# Altium PCB CANOPi_Baseboard.PcbDoc (part 1 of 3) (continued)
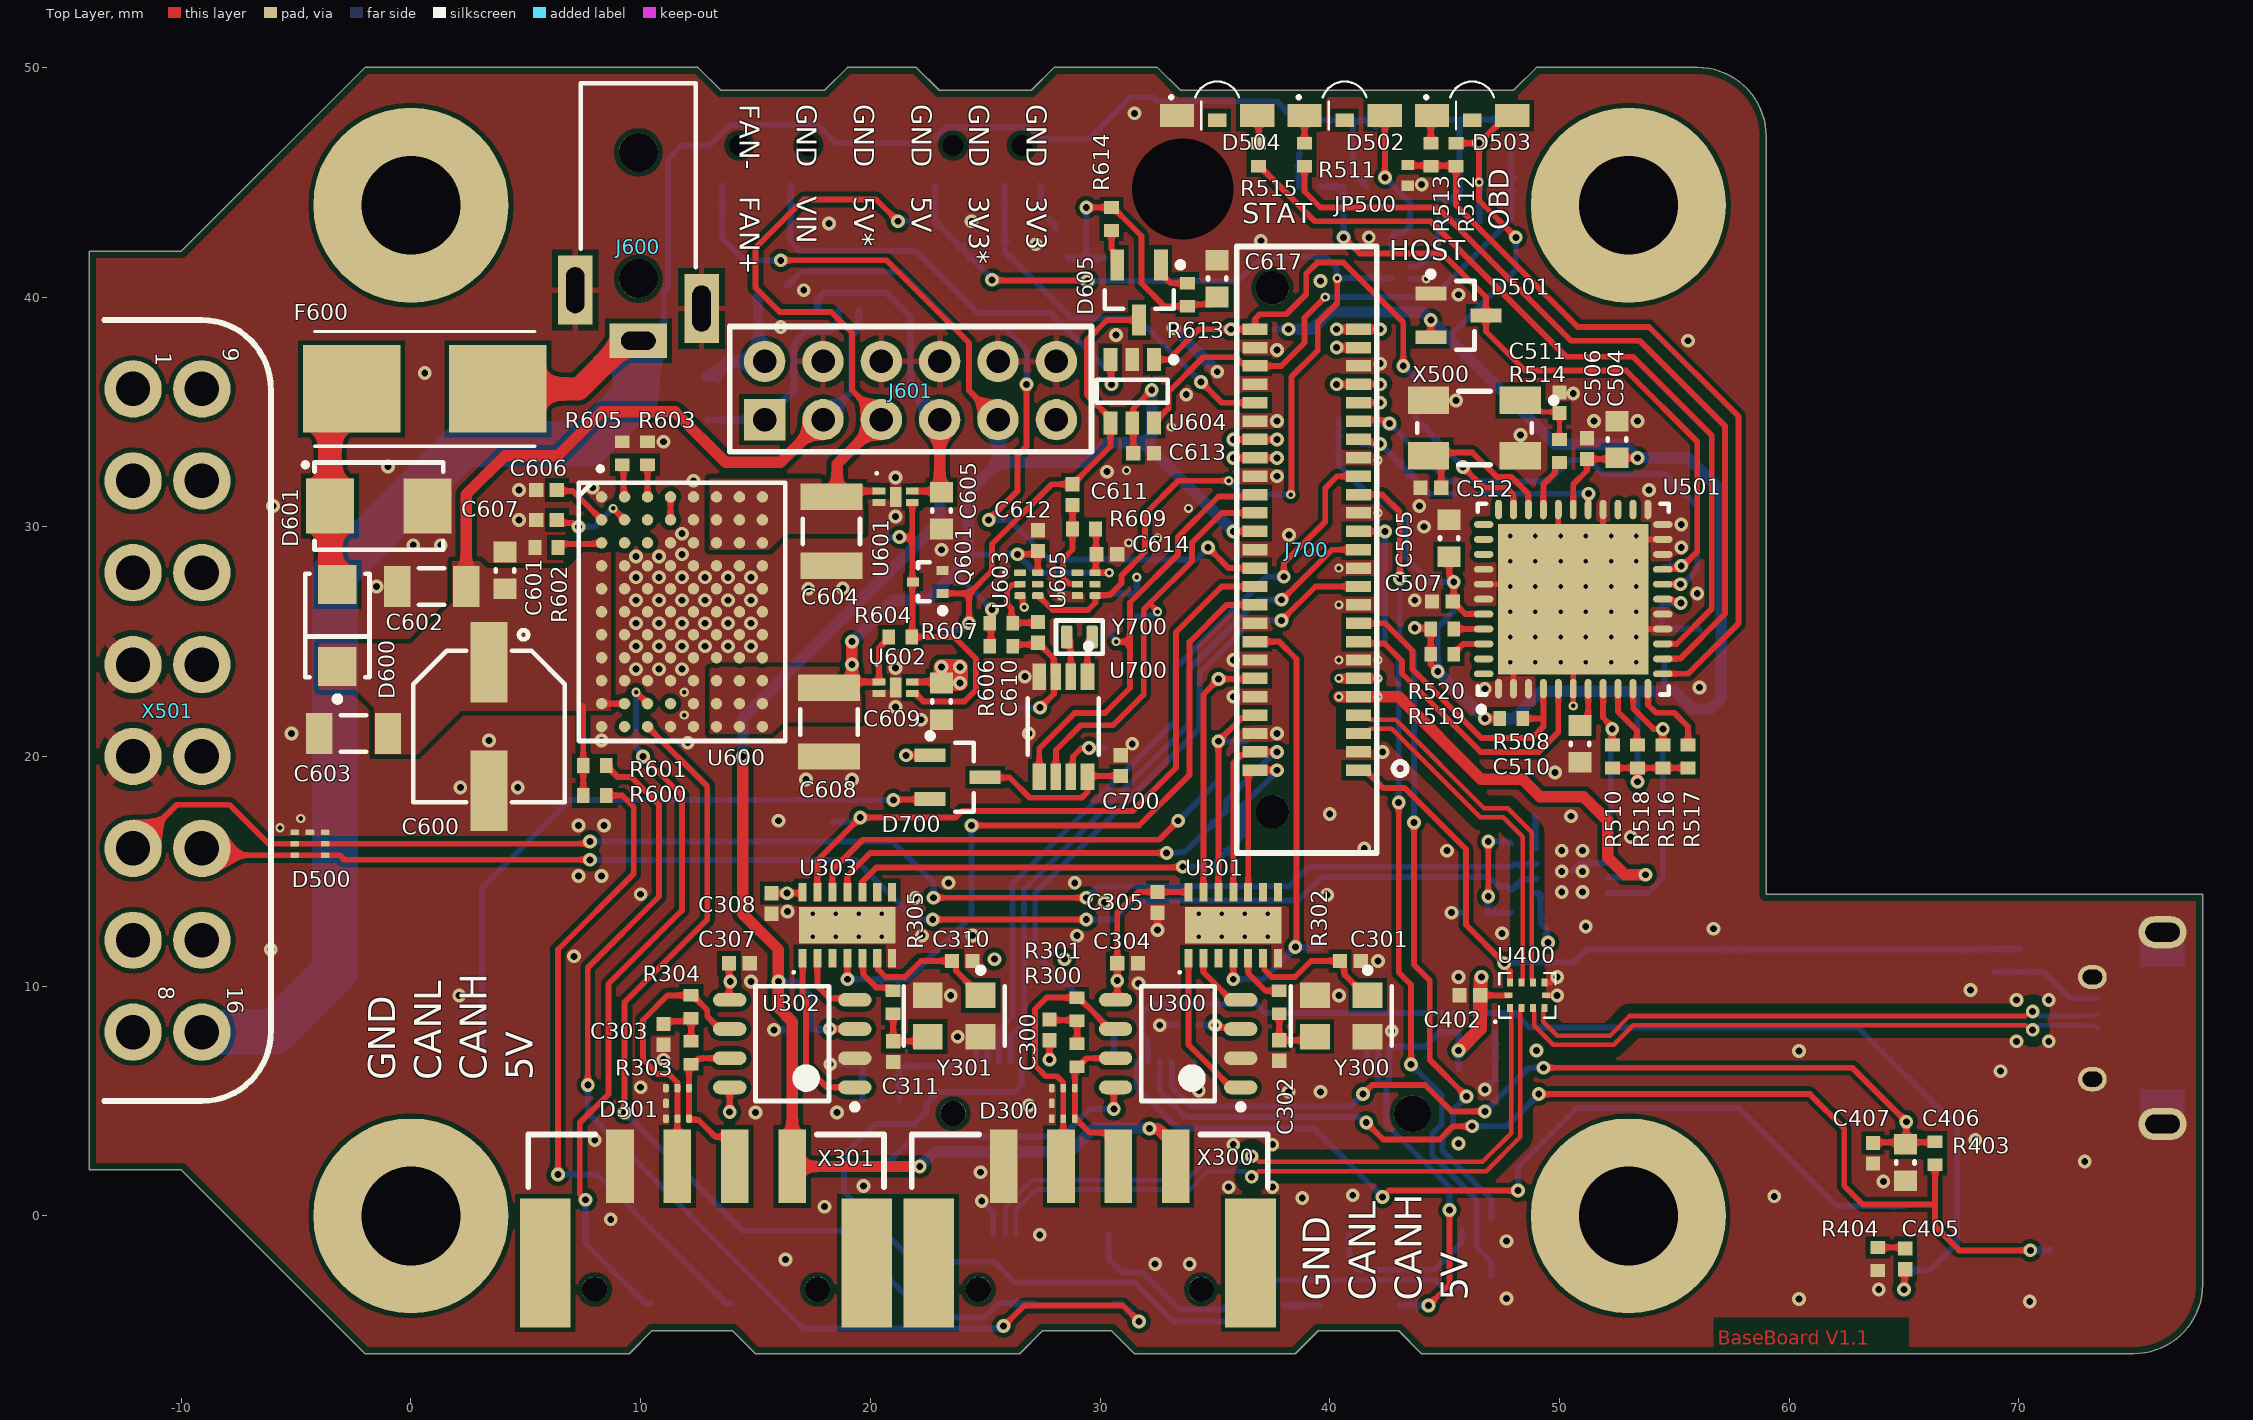
[diagram p0: Top Layer view]
## Components (designator, comment, footprint, x,y, rotation, side; value= is the part's Value field where it differs from the comment)
BT700 "KEYSTONE - 1060" "KEYSTONE - 1060-Footprint-1" 3,22.1 r270 bottom
C300 "CAP 0402 100n -10% +10% 6.3V X7R" "CAP 0402 [1005 Metric] X050 N" 27.8,8.1 r270 top value=100nF
C301 "CAP 0402 27p -2% +2% 25V C0G" "CAP 0402 [1005 Metric] X050 N" 40.9,11.1 r180 top value=27pF
C302 "CAP 0402 27p -2% +2% 25V C0G" "CAP 0402 [1005 Metric] X050 N" 37.8,7.2 r90 top value=27pF
C303 "CAP 0402 100n -10% +10% 6.3V X7R" "CAP 0402 [1005 Metric] X050 N" 11,7.9 r270 top value=100nF
C304 "CAP 0402 100n -10% +10% 6.3V X7R" "CAP 0402 [1005 Metric] X050 N" 31.2,11 r180 top value=100nF
C305 "CAP 0402 100n -10% +10% 6.3V X7R" "CAP 0402 [1005 Metric] X050 N" 32.5,13.65 r90 top value=100nF
C306 "CAP 0402 100n -10% +10% 6.3V X7R" "CAP 0402 [1005 Metric] X050 N" 33.8,8.3 r0 bottom value=100nF
C307 "CAP 0402 100n -10% +10% 6.3V X7R" "CAP 0402 [1005 Metric] X050 N" 14.3,11 r180 top value=100nF
C308 "CAP 0402 100n -10% +10% 6.3V X7R" "CAP 0402 [1005 Metric] X050 N" 15.7,13.6 r90 top value=100nF
C309 "CAP 0402 100n -10% +10% 6.3V X7R" "CAP 0402 [1005 Metric] X050 N" 17,8.1 r0 bottom value=100nF
C310 "CAP 0402 27p -2% +2% 25V C0G" "CAP 0402 [1005 Metric] X050 N" 24,11.1 r180 top value=27pF
C311 "CAP 0402 27p -2% +2% 25V C0G" "CAP 0402 [1005 Metric] X050 N" 20.992,7.15 r90 top value=27pF
C400 "CAP 0603 10µF -20% +20% 6.3V X5R" "CAP 0603 [1608 Metric] X080 N" 20.455,5.025 r180 bottom value=10µF
C401 "CAP 0603 1u -10% +10% 10V X7R" "CAP 0603 [1608 Metric] X080 N" 20.455,6.625 r180 bottom value=1µF
C402 "CAP 0402 100n -10% +10% 6.3V X7R" "CAP 0402 [1005 Metric] X050 N" 46.1,9.6 r0 top value=100nF
C403 "CAP 0603 10µF -20% +20% 6.3V X5R" "CAP 0603 [1608 Metric] X080 N" 46.4,8 r0 bottom value=10µF
C404 "CAP 0603 1u -10% +10% 10V X7R" "CAP 0603 [1608 Metric] X080 N" 46.4,6.4 r0 bottom value=1µF
C405 "CAP 0402 27p -2% +2% 25V C0G" "CAP 0402 [1005 Metric] X050 N" 65.055,-1.875 r270 top value=27pF
C406 "CAP 0603 1u -10% +10% 10V X7R" "CAP 0603 [1608 Metric] X080 N" 65.055,2.325 r270 top value=1µF
C407 "CAP 0402 100n -10% +10% 6.3V X7R" "CAP 0402 [1005 Metric] X050 N" 63.655,2.725 r270 top value=100nF
C500 "CAP 0402 100n -10% +10% 6.3V X7R" "CAP 0402 [1005 Metric] X050 N" 49.8,12.6 r180 bottom value=100nF
C501 "CAP 0402 100n -10% +10% 6.3V X7R" "CAP 0402 [1005 Metric] X050 N" 53.1,15.3 r270 bottom value=100nF
C502 "CAP 0402 100n -10% +10% 6.3V X7R" "CAP 0402 [1005 Metric] X050 N" 46.4,13.2 r180 bottom value=100nF
C503 "CAP 0402 100n -10% +10% 6.3V X7R" "CAP 0402 [1005 Metric] X050 N" 54.5,28.7 r270 bottom value=100nF
C504 "CAP 0603 1u -10% +10% 10V X7R" "CAP 0603 [1608 Metric] X080 N" 52.5,33.8 r90 top value=1µF
C505 "CAP 0603 1u -10% +10% 10V X7R" "CAP 0603 [1608 Metric] X080 N" 45.2,29.5 r90 top value=1µF
C506 "CAP 0402 100n -10% +10% 6.3V X7R" "CAP 0402 [1005 Metric] X050 N" 51.2,33.4 r270 top value=100nF
C507 "CAP 0402 100n -10% +10% 6.3V X7R" "CAP 0402 [1005 Metric] X050 N" 44.9,26.75 r0 top value=100nF
C508 "CAP 0603 1u -10% +10% 10V X7R" "CAP 0603 [1608 Metric] X080 N" 56.1,24.7 r270 bottom value=1µF
C509 "CAP 0402 100n -10% +10% 6.3V X7R" "CAP 0402 [1005 Metric] X050 N" 54,26.8 r0 bottom value=100nF
C510 "CAP 0603 10µF -20% +20% 6.3V X5R" "CAP 0603 [1608 Metric] X080 N" 50.9,20.55 r270 top value=10µF
C511 "CAP 0402 15p -2% +2% 25V C0G" "CAP 0402 [1005 Metric] X050 N" 50,35.4 r270 top value=15pF
C512 "CAP 0402 15p -2% +2% 25V C0G" "CAP 0402 [1005 Metric] X050 N" 44.4,31.7 r0 top value=15pF
C600 "CAP2625 47u -20% +20% 50V" WCAP-ASLI_6.3x7.7 3.4,21.3 r270 top value=47µF
C601 "CAP 0603 100n -10% +10% 50V X7R" "CAP 0603 [1608 Metric] X080 N" 4.1,28.1 r270 top value=100nF
C602 "CAP 1206 10u -10% +10% 50V X5R" "CAP 1206 [3216 Metric] X160 N" 0.9,27.4 r0 top value=10µF
C603 "CAP 1206 10u -10% +10% 50V X5R" "CAP 1206 [3216 Metric] X160 N" -2.5,21 r0 top value=10µF
C604 "CAP 1210 100µF +/-20% 16V X5R" "CAP 1210 [3225 Metric] X250 N" 18.3,29.8 r90 top value=100µF
C605 "CAP 0603 10µF -20% +20% 6.3V X5R" "CAP 0603 [1608 Metric] X080 N" 23.1,30.7 r270 top value=10µF
C606 "CAP 0402 100n -10% +10% 6.3V X7R" "CAP 0402 [1005 Metric] X050 N" 5.9,31.6 r180 top value=100nF
C607 "CAP 0402 100n -10% +10% 6.3V X7R" "CAP 0402 [1005 Metric] X050 N" 5.9,30.3 r180 top value=100nF
C608 "CAP 1210 100µF +/-20% 16V X5R" "CAP 1210 [3225 Metric] X250 N" 18.2,21.5 r90 top value=100µF
C609 "CAP 0603 10µF -20% +20% 6.3V X5R" "CAP 0603 [1608 Metric] X080 N" 23.1,22.4 r270 top value=10µF
C610 "CAP 0402 100n -10% +10% 6.3V X7R" "CAP 0402 [1005 Metric] X050 N" 27.3,25.4 r270 top value=100nF
C611 "CAP 0402 100n -10% +10% 6.3V X7R" "CAP 0402 [1005 Metric] X050 N" 28.8,31.4 r270 top value=100nF
C612 "CAP 0402 100n -10% +10% 6.3V X7R" "CAP 0402 [1005 Metric] X050 N" 27.3,29.4 r90 top value=100nF
C613 "CAP 0402 100n -10% +10% 6.3V X7R" "CAP 0402 [1005 Metric] X050 N" 31.9,33.2 r0 top value=100nF
C614 "CAP 0402 100n -10% +10% 6.3V X7R" "CAP 0402 [1005 Metric] X050 N" 30.3,28.8 r0 top value=100nF
C615 "CAP 0402 100n -10% +10% 6.3V X7R" "CAP 0402 [1005 Metric] X050 N" 44.7,43.8 r90 bottom value=100nF
C616 "CAP 0402 100n -10% +10% 6.3V X7R" "CAP 0402 [1005 Metric] X050 N" 42.7,43.1 r90 bottom value=100nF
C617 "CAP 0603 1u -10% +10% 10V X7R" "CAP 0603 [1608 Metric] X080 N" 35.1,40.8 r90 top value=1µF
C700 "CAP 0402 100n -10% +10% 6.3V X7R" "CAP 0402 [1005 Metric] X050 N" 30.9,19.6 r270 top value=100nF
D300 "VISHAY - VBUS052CD-FAH-GS08" "VISHAY - VBUS052CD-FAH" 28.4,4.9 r270 top
D301 "VISHAY - VBUS052CD-FAH-GS08" "VISHAY - VBUS052CD-FAH" 11.6,4.9 r270 top
D400 "WUERTH ELEKTRONIK - 155124RS73200" "WUERTH ELEKTRONIK - WL-SMSW" 41.3,-3.9 r0 bottom
D500 "VISHAY - VBUS052CD-FAH-GS08" "VISHAY - VBUS052CD-FAH" -4.4,16.2 r180 top
D501 "INFINEON - BAT64-04" "INFINEON - BAT64-04" 45.6,39.2 r0 top
D502 "WUERTH ELEKTRONIK - 155124VS73200" "WUERTH ELEKTRONIK - WL-SMSW" 40.65,47.9 r0 top
D503 "WUERTH ELEKTRONIK - 155124VS73200" "WUERTH ELEKTRONIK - WL-SMSW" 46.2,47.9 r0 top
D504 "WUERTH ELEKTRONIK - 155124VS73200" "WUERTH ELEKTRONIK - WL-SMSW" 35.1,47.9 r0 top
D600 "VS-15MQ040NTRPBF" FP-95400-MFG -3.2,25.7 r90 top value=134pF
D601 "STMICROELECTRONICS - SMBJ24A-TR" "DO-214AA (SMB) DIOC5436X26N" -1.4,30.9 r0 top
D602 "WUERTH ELEKTRONIK - 155124RS73200" "WUERTH ELEKTRONIK - WL-SMSW" 12.2,-3.8 r0 bottom
D603 "WUERTH ELEKTRONIK - 155124RS73200" "WUERTH ELEKTRONIK - WL-SMSW" 28.9,-3.8 r0 bottom
D604 "RBE1VAM20ATR" FP-TUMD2M-MFG 12.9,35.3 r90 bottom
D605 "INFINEON - BAT64-04" "INFINEON - BAT64-04" 31.7,40.2 r270 top
D700 "INFINEON - BAT64-05" "INFINEON - BAT64-04" 23.8,19.1 r0 top
F600 "LITTELFUSE - 154002.DRT." "LITTELFUSE - 154 OMNI-BLOK" 0.6,36 r180 top
FB500 "MURATA - BLM18AG121SN1D" "Ferrite Beads 0603 (1608 Metric)" 54.57,24.9 r90 bottom
J400 "629105150921" 629105150921 76.255,8.175 r270 bottom
J600 "694101308002" 694101308002 9.9,43.8 r180 top
J601 "AMPHENOL - 10129382" "AMPHENOL - 10129382-Footprint-1" 15.4,34.66 r0 top
J700 "SAMTEC - ERF8-025-07.0-L-DV-TR" "SAMTEC - ERF-025-05.0-L-DV-TR-Footprint-1" 39,29 r270 top
JP500 "Solder Jumper 0402 unbestückt" "Solder Jumper 0402 unbestückt" 43.4,45.3 r90 top
JP600 "Solder Jumper Triple 0402 with Assembly between 1 and 2" "Solder Jumper Triple 0402 with Assembly between 1 and 2" 19.05,39.4 r180 bottom
MP1 "WUERTH ELEKTRONIK - 9774015360" "WUERTH ELEKTRONIK - 9774015360" 33.6,44.7 r180 bottom
P400 "TE CONNECTIVITY - 2199119-3" "M.2 (NGFF) Connectors" 24.35,-0.825 r0 bottom
Q400 "DIODES INCORPORATED - 2N7002T" "DIODES INCORPORATED - SOT523" 46.4,-3.1 r180 bottom
Q401 "DIODES INCORPORATED - 2N7002T" "DIODES INCORPORATED - SOT523" 46.4,-0.6 r180 bottom
Q600 "DIODES INCORPORATED - 2N7002T" "DIODES INCORPORATED - SOT523" 15.7,40 r180 bottom
Q601 "DIODES INCORPORATED - 2N7002T" "DIODES INCORPORATED - SOT523" 22.5,27.6 r180 top
Q602 "DIODES INCORPORATED - 2N7002T" "DIODES INCORPORATED - SOT523" 28.1,42.345 r90 bottom
R300 "RES 0402 60R4 1% 0W0625" "RES 0402 [1005 Metric]_N" 29,7 r270 top value=60.4
R301 "RES 0402 60R4 1% 0W0625" "RES 0402 [1005 Metric]_N" 29,9 r270 top value=60.4
R302 "RES 0402 100R 1% 63mW" "RES 0402 [1005 Metric]_N" 37.8,9.3 r90 top value=100
R303 "RES 0402 60R4 1% 0W0625" "RES 0402 [1005 Metric]_N" 12.2,7.1 r270 top value=60.4
R304 "RES 0402 60R4 1% 0W0625" "RES 0402 [1005 Metric]_N" 12.2,9.1 r270 top value=60.4
R305 "RES 0402 100R 1% 63mW" "RES 0402 [1005 Metric]_N" 20.992,9.3 r90 top value=100
R306 "RES 0402 10K 1% 0W0625" "RES 0402 [1005 Metric]_N" 20.2,2.2 r180 bottom value=10k
R307 "RES 0402 10K 1% 0W0625" "RES 0402 [1005 Metric]_N" 14.4,5.5 r0 bottom value=10k
R400 "RES 0402 4K7 1% 0W0625" "RES 0402 [1005 Metric]_N" 67.9,11.1 r90 bottom value=4.7k
R401 "RES 0402 4K7 1% 0W0625" "RES 0402 [1005 Metric]_N" 70.055,11.125 r90 bottom value=4.7k
R402 "RES 0402 1K 1% 0W0625" "RES 0402 [1005 Metric]_N" 37.5,-3.9 r0 bottom value=1k
R403 "RES 0402 33K 1% 0W0625" "RES 0402 [1005 Metric]_N" 66.355,2.725 r90 top value=33k
R404 "RES 0402 60R4 1% 0W0625" "RES 0402 [1005 Metric]_N" 63.855,-1.875 r90 top value=60.4
R405 "RES 0402 4K7 1% 0W0625" "RES 0402 [1005 Metric]_N" 68.955,11.125 r90 bottom value=4.7k
R500 "RES 0402 60R4 1% 0W0625" "RES 0402 [1005 Metric]_N" 47.9,15.7 r270 bottom value=60.4
R501 "RES 0402 60R4 1% 0W0625" "RES 0402 [1005 Metric]_N" 47.9,13.7 r270 bottom value=60.4
R502 "RES 0402 330K 1% 0W0625" "RES 0402 [1005 Metric]_N" 39.1,44.8 r180 bottom value=330k
R503 "RES 0402 62K 1% 0W0625" "RES 0402 [1005 Metric]_N" 41.1,44.8 r0 bottom value=62k
R504 "RES 0402 10K 1% 0W0625" "RES 0402 [1005 Metric]_N" 49.4,17.4 r0 bottom value=10k
R505 "RES 0402 10K 1% 0W0625" "RES 0402 [1005 Metric]_N" 41.1,43.6 r0 bottom value=10k
R506 "RES 0402 10K 1% 0W0625" "RES 0402 [1005 Metric]_N" 40.9,34.7 r0 bottom value=10k
R507 "RES 0402 100K 1% 0W0625" "RES 0402 [1005 Metric]_N" 37.1,38.6 r0 bottom value=100k
R508 "RES 0402 1K 1% 0W0625" "RES 0402 [1005 Metric]_N" 47.9,21.65 r180 top value=1k
R509 "RES 0402 10K 1% 0W0625" "RES 0402 [1005 Metric]_N" 40.9,33.6 r0 bottom value=10k
R510 "RES 0402 100K 1% 0W0625" "RES 0402 [1005 Metric]_N" 52.3,20 r270 top value=100k
R511 "RES 0402 1K 1% 0W0625" "RES 0402 [1005 Metric]_N" 38.9,46.2 r90 top value=1k
R512 "RES 0402 100K 1% 0W0625" "RES 0402 [1005 Metric]_N" 45.5,46.2 r90 top value=100k
R513 "RES 0402 1K 1% 0W0625" "RES 0402 [1005 Metric]_N" 44.4,46.2 r90 top value=1k
R514 "RES 0402 100R 1% 63mW" "RES 0402 [1005 Metric]_N" 50,33.3 r90 top value=100
R515 "RES 0402 1K 1% 0W0625" "RES 0402 [1005 Metric]_N" 36.9,46.2 r270 top value=1k
R516 "RES 0402 100K 1% 0W0625" "RES 0402 [1005 Metric]_N" 54.5,20 r270 top value=100k
R517 "RES 0402 100K 1% 0W0625" "RES 0402 [1005 Metric]_N" 55.6,20 r270 top value=100k
R518 "RES 0402 100K 1% 0W0625" "RES 0402 [1005 Metric]_N" 53.4,20 r270 top value=100k
R519 "RES 0402 100K 1% 0W0625" "RES 0402 [1005 Metric]_N" 44.9,24.45 r180 top value=100k
R520 "RES 0402 100K 1% 0W0625" "RES 0402 [1005 Metric]_N" 44.9,25.55 r180 top value=100k
R600 "RES 0402 33K 1% 0W0625" "RES 0402 [1005 Metric]_N" 8,18.3 r0 top value=33k
R601 "RES 0402 33K 1% 0W0625" "RES 0402 [1005 Metric]_N" 8,19.6 r0 top value=33k
R602 "RES 0402 33K 1% 0W0625" "RES 0402 [1005 Metric]_N" 5.9,29.1 r180 top value=33k
R603 "RES 0402 45K3 1% 0W0625" "RES 0402 [1005 Metric]_N" 10.3,33.2 r270 top value=45,3k
R604 "RES 0402 100K 1% 0W0625" "RES 0402 [1005 Metric]_N" 21.3,25.2 r180 top value=100k
R605 "RES 0402 78K7 1% 0W0625" "RES 0402 [1005 Metric]_N" 9.2,33.2 r270 top value=78.7k
R606 "RES 0402 330K 1% 0W0625" "RES 0402 [1005 Metric]_N" 25.7,24.8 r180 top value=330k
R607 "RES 0402 330K 1% 0W0625" "RES 0402 [1005 Metric]_N" 25.7,25.8 r180 top value=330k
R608 "RES 0402 100K 1% 0W0625" "RES 0402 [1005 Metric]_N" 22.3,43.3 r180 bottom value=100k
R609 "RES 0402 100K 1% 0W0625" "RES 0402 [1005 Metric]_N" 29.3,29.9 r0 top value=100k
R610 "RES 0402 100K 1% 0W0625" "RES 0402 [1005 Metric]_N" 17,43.2 r180 bottom value=100k
R611 "RES 0402 330K 1% 0W0625" "RES 0402 [1005 Metric]_N" 46.1,44.3 r0 bottom value=330k
R612 "RES 0402 330K 1% 0W0625" "RES 0402 [1005 Metric]_N" 46.1,43.3 r0 bottom value=330k
R613 "RES 0402 100R 1% 63mW" "RES 0402 [1005 Metric]_N" 33.8,40.1 r90 top value=100
R614 "RES 0402 100K 1% 0W0625" "RES 0402 [1005 Metric]_N" 30.5,43.4 r270 top value=100k
R700 "RES 0402 4K7 1% 0W0625" "RES 0402 [1005 Metric]_N" 31.6,26.6 r90 bottom value=4.7k
R701 "RES 0402 4K7 1% 0W0625" "RES 0402 [1005 Metric]_N" 30.5,26.6 r90 bottom value=4.7k
S600 "C & K - PCM12SMTR" PCM12SMTR 15.8,46.6 r0 bottom
S601 "C & K - PCM12SMTR" PCM12SMTR 25.1,46.6 r0 bottom
SW500 "EVQ-P7J01P" FP-EVQ-P7J01P-MFG 40.5,46.975 r0 bottom
SW600 "EVQ-P7J01P" FP-EVQ-P7J01P-MFG 46.1,47 r0 bottom
TP300 "Testpad, 0.8mm x 0.8mm, round" "Testpad, 0.8mm x 0.8mm, round" 35.25,15.6 r90 bottom
TP301 "Testpad, 0.8mm x 0.8mm, round" "Testpad, 0.8mm x 0.8mm, round" 35.193,17.343 r90 bottom
TP302 "Testpad, 0.8mm x 0.8mm, round" "Testpad, 0.8mm x 0.8mm, round" 36.36,20.64 r90 bottom
TP303 "Testpad, 0.8mm x 0.8mm, round" "Testpad, 0.8mm x 0.8mm, round" 36.54,23.4 r90 bottom
TP304 "Testpad, 0.8mm x 0.8mm, round" "Testpad, 0.8mm x 0.8mm, round" 39.57,11.67 r90 bottom
TP305 "Testpad, 0.8mm x 0.8mm, round" "Testpad, 0.8mm x 0.8mm, round" 18.36,17.16 r90 bottom
TP306 "Testpad, 0.8mm x 0.8mm, round" "Testpad, 0.8mm x 0.8mm, round" 20.85,10.3 r90 bottom
TP400 "Testpad, 0.8mm x 0.8mm, round" "Testpad, 0.8mm x 0.8mm, round" 57.6,11.57 r90 bottom
TP500 "Testpad, 0.8mm x 0.8mm, round" "Testpad, 0.8mm x 0.8mm, round" 44.4,34.05 r90 bottom
TP501 "Testpad, 0.8mm x 0.8mm, round" "Testpad, 0.8mm x 0.8mm, round" 55.2,31.74 r90 bottom
TP502 "Testpad, 0.8mm x 0.8mm, round" "Testpad, 0.8mm x 0.8mm, round" 43.279,32.521 r90 bottom
TP600 "Testpad, 0.8mm x 0.8mm, round" "Testpad, 0.8mm x 0.8mm, round" 20.37,29.52 r90 bottom
TP601 "Testpad, 0.8mm x 0.8mm, round" "Testpad, 0.8mm x 0.8mm, round" 24.18,41.94 r90 bottom
TP602 "Testpad, 0.8mm x 0.8mm, round" "Testpad, 0.8mm x 0.8mm, round" 25.86,42.03 r90 bottom
TP603 "Testpad, 0.8mm x 0.8mm, round" "Testpad, 0.8mm x 0.8mm, round" 23,25.5 r90 bottom
TP604 "Testpad, 0.8mm x 0.8mm, round" "Testpad, 0.8mm x 0.8mm, round" 47.9,44.9 r90 bottom
TP605 "Testpad, 0.8mm x 0.8mm, round" "Testpad, 0.8mm x 0.8mm, round" 30.2,41.7 r90 bottom
TP700 "Testpad, 0.8mm x 0.8mm, round" "Testpad, 0.8mm x 0.8mm, round" 26.362,22.102 r90 bottom
TP701 "Testpad, 0.8mm x 0.8mm, round" "Testpad, 0.8mm x 0.8mm, round" 30.24,20.4 r90 bottom locked
U300 "MICROCHIP - MCP2542FD/4FD" SOIC127P600X175-8N 33.4,7.5 r180 top
U301 "MICROCHIP - MCP2518FD" SON65P300X90_HS-15N 35.8,12.65 r90 top
U302 "MICROCHIP - MCP2542FD/4FD" SOIC127P600X175-8N 16.6,7.5 r180 top
U303 "MICROCHIP - MCP2518FD" SON65P300X90_HS-15N 19,12.65 r90 top
U400 "ON SEMICONDUCTOR - FSUSB43L10X" "ON SEMICONDUCTOR - FSUSB43L10X" 48.6,9.6 r0 top
U500 "MCP2562-E/MF" FP-C04-062-MFG 50.55,15.025 r180 bottom
U501 "OBD SOLUTIONS - STN2120" QFN65P800X800X100_HS-45N 50.6,26.85 r90 top
U600 "ANALOG DEVICES - LTM8024EY#PBF" "ANALOG DEVICES - LTM8024" 11.8,26.3 r0 top
U601 "VISHAY - SIP32408" DFN130P160X60-4N 21.1,31.3 r0 top
U602 "VISHAY - SIP32408" DFN130P160X60-4N 21.1,23 r0 top
U603 "SN74LVC1G07DRYR" DRY0006A_V 26.9,27.5 r0 top
U604 "SN74LVC1G27DBVR" DBV0006A_N 31.4,35.9 r270 top
U605 "SN74LVC1G07DRYR" DRY0006A_V 29.4,27.5 r0 top
U606 "SN74LVC1G07DRYR" DRY0006A_V 43.1,41.3 r180 bottom
U700 "PCF85063ATT/AJ" FP-SOT505-1-MFG 28.4,21.3 r270 top
X300 "PHOENIX CONTACT - PTSM 0,5/ 4-HH-2,5-SMD R32" "PHOENIX CONTACT - PTSM 0,5_ 4-HH-2,5-SMD R32-Footprint-1" 29.55,2.15 r0 top
X301 "PHOENIX CONTACT - PTSM 0,5/ 4-HH-2,5-SMD R32" "PHOENIX CONTACT - PTSM 0,5_ 4-HH-2,5-SMD R32-Footprint-1" 12.85,2.15 r0 top
X400 "JST - SCZW-7SA-1K(HF)" "JST SCZW-7SA-1K(HF)" 64.935,0.85 r270 bottom
X500 "ABM3B-16.000MHZ-B2-T" ABRA-ABM3B-4_V 46.3,34.3 r180 top
X501 "COMTECH ELECTRONIC - OBD-2 Stiftblock" "COMTECH ELECTRONIC - OBD-2 Stiftblock-Footprint-1" -14.35,22 r270 top
Y300 "ECS-200-18-33Q-DS" FP-ECX-33Q-MFG 40.5,8.7 r180 top
Y301 "ECS-200-18-33Q-DS" FP-ECX-33Q-MFG 23.65,8.7 r180 top
Y700 "ABRACON - ABS05-32.768KHZ-9-T" "ABRACON - ABS05-32.768KHZ-9-T" 29.1,25.2 r180 top

## Footprints (in the part's own frame and the unit in brackets; to place one, negate y for a bottom-side part, rotate by r counter-clockwise, add the part's x,y. Pads: shape width x height; smd on the part's side, far side on the other; paste and mask are expansions set on the pad)
629105150921 [mm] "Micro USB 2.0 Type AB Horizontal"
  rect 0.4x1.35 smd: 1(-1.3,2.805) 2(-0.65,2.805) 3(0,2.805) 4(0.65,2.805) 5(1.3,2.805)
  round 0 / inner oval 1.4x2.1 / far side oval 1.4x2.1 hole 0.825 slot 1.5 at 90 deg: Shell(-4.175,0) Shell(4.175,0)
  oval 1.05x1.25 hole 0.65 slot 0.85 at 90 deg: Shell(-2.225,3.055) Shell(2.225,3.055)
  rect 1.8x1.9 smd: Shell(-1.15,0) Shell(1.15,0)
  Top Layer region: 4.353,-0.95 4.544,-0.912 4.706,-0.804 4.814,-0.641 4.852,-0.45 4.852,-0.45 4.852,0.65 4.83,0.765 4.765,0.862 4.667,0.927 4.553,0.95 4.553,0.95 2.668,0.95 2.668,-0.95
  Top Layer region: -4.353,-0.95 -4.544,-0.912 -4.706,-0.804 -4.814,-0.641 -4.852,-0.45 -4.852,-0.45 -4.852,0.65 -4.83,0.765 -4.765,0.862 -4.667,0.927 -4.553,0.95 -4.553,0.95 -2.668,0.95 -2.668,-0.95
  silkscreen extent -3.7,1.25 3.7,2.97, body extent -4.3,-2.64 4.3,3.23, height 2.76
694101308002 [mm] "DC Power Jack THT Right Angled Low Profile(2.8)"
  rect 2.5x1.5 hole 0.8 slot 1.5 at 0 deg: 1(0,5.7)
  rect 1.5x3 hole 0.8 slot 2 at 90 deg: 2(2.75,3.5) 3(-2.75,4.3)
  round 1.7 hole 1.7 unplated: MH1(0,-2.5) MH2(0,3)
  silkscreen extent -2.5,-5.5 2.5,2.5, body extent -2.9,-5.5 2.9,6.5, height 5.05
ABRA-ABM3B-4_V [mm] "SMD, 4-Leads, Body 5x3.2mm"
  rect 1.8x1.2 smd: 1(-2,-1.2) 2(2,-1.2) 3(2,1.2) 4(-2,1.2)
  silkscreen extent -3.58,-1.6 2.5,1.6, body extent -2.5,-1.59 2.5,1.59, height 1.13
"ABRACON - ABS05-32.768KHZ-9-T" [mm] "Crystals 32.768KHz 9.0pF 20ppm -40C +85C"
  rrect30% 0.5x1 smd: 1(-0.55,0) 2(0.55,0)
  silkscreen extent -1.02,-0.72 1.02,0.72, body extent -0.8,-0.5 0.8,0.5, height 0.5
"AMPHENOL - 10129382-Footprint-1" [mm]
  rect 1.8x1.8 hole 1.02: 1(0,0)
  round 1.8 hole 1.02: 2(0,2.54) 3(2.54,0) 4(2.54,2.54) 5(5.08,0) 6(5.08,2.54) 7(7.62,0) 8(7.62,2.54) 9(10.16,0) 10(10.16,2.54) 11(12.7,0) 12(12.7,2.54)
  silkscreen extent -1.52,-1.4 14.22,4.06, body extent -1.24,-0.32 14,12.44, height 4.84
"ANALOG DEVICES - LTM8024" [mm] "BGA PACKAGE 88-PIN 11.25mm × 9mm × 3.32mm"
  round 0.5 smd: A1(-3.5,5) A2(-2.5,5) A3(-1.5,5) A4(-0.5,5) A5(0.5,5) A6(1.5,5) A7(2.5,5) A8(3.5,5) B1(-3.5,4) B2(-2.5,4) B3(-1.5,4) B4(-0.5,4) B5(0.5,4) B6(1.5,4) B7(2.5,4) B8(3.5,4) C1(-3.5,3) C2(-2.5,3) C3(-1.5,3) C4(-0.5,3) C5(0.5,3) C6(1.5,3) C7(2.5,3) C8(3.5,3) D1(-3.5,2) D2(-2.5,2) D3(-1.5,2) D4(-0.5,2) D5(0.5,2) D6(1.5,2) D7(2.5,2) D8(3.5,2) E1(-3.5,1) E2(-2.5,1) E3(-1.5,1) E4(-0.5,1) E5(0.5,1) E6(1.5,1) E7(2.5,1) E8(3.5,1) F1(-3.5,0) F2(-2.5,0) F3(-1.5,0) F4(-0.5,0) F5(0.5,0) F6(1.5,0) F7(2.5,0) F8(3.5,0) G1(-3.5,-1) G2(-2.5,-1) G3(-1.5,-1) G4(-0.5,-1) G5(0.5,-1) G6(1.5,-1) G7(2.5,-1) G8(3.5,-1) H1(-3.5,-2) H2(-2.5,-2) H3(-1.5,-2) H4(-0.5,-2) H5(0.5,-2) H6(1.5,-2) H7(2.5,-2) H8(3.5,-2) J1(-3.5,-3) J2(-2.5,-3) J3(-1.5,-3) J4(-0.5,-3) J5(0.5,-3) J6(1.5,-3) J7(2.5,-3) J8(3.5,-3) K1(-3.5,-4) K2(-2.5,-4) K3(-1.5,-4) K4(-0.5,-4) K5(0.5,-4) K6(1.5,-4) K7(2.5,-4) K8(3.5,-4) L1(-3.5,-5) L2(-2.5,-5) L3(-1.5,-5) L4(-0.5,-5) L5(0.5,-5) L6(1.5,-5) L7(2.5,-5) L8(3.5,-5)
  silkscreen extent -4.5,-5.63 4.5,6.32, body extent -4.5,-5.62 4.5,5.63, height 3.52
"CAP 0402 [1005 Metric] X050 N" [mm] "CAPC1005X050_N"
  rect 0.62x0.62 smd: 1(-0.45,0) 2(0.45,0)
  body extent -0.55,-0.3 0.55,0.3, height 0.5
"CAP 0603 [1608 Metric] X080 N" [mm] "CAPC1608X080_N"
  rect 0.9x1 smd: 1(-0.8,0) 2(0.8,0)
  silkscreen extent -0.05,-0.4 0.05,0.4, body extent -0.87,-0.48 0.88,0.47, height 0.8
"CAP 1206 [3216 Metric] X160 N" [mm] "CAPC3216X160_N"
  rect 1.15x1.8 smd: 1(-1.5,0) 2(1.5,0)
  silkscreen extent -0.55,-0.8 0.55,0.8, body extent -1.6,-0.8 1.6,0.8, height 1.8
"CAP 1210 [3225 Metric] X250 N" [mm] "CAPC3225X250_N"
  rect 1.15x2.7 smd: 1(-1.5,0) 2(1.5,0)
  silkscreen extent -0.55,-1.25 0.55,1.25, body extent -1.7,-1.35 1.7,1.35, height 2.5
"COMTECH ELECTRONIC - OBD-2 Stiftblock-Footprint-1" [mm]
  round 2.5 hole 1.5: 1(-14,2.25) 2(-10,2.25) 3(-6,2.25) 4(-2,2.25) 5(2,2.25) 6(6,2.25) 7(10,2.25) 8(14,2.25) 9(-14,5.25) 10(-10,5.25) 11(-6,5.25) 12(-2,5.25) 13(2,5.25) 14(6,5.25) 15(10,5.25) 16(14,5.25)
  silkscreen extent -17,1 17,8.25, body extent -20.27,-20.5 20.27,5.65, height 17.2
DBV0006A_N [mm] "SOT23, 6-Leads, Body 3.05x1.75mm, Pitch 0.95mm, IPC Medium Density"
  rect 1x0.6 smd: 1(-1.375,0.95) 2(-1.375,0) 3(-1.375,-0.95) 4(1.375,-0.95) 5(1.375,0) 6(1.375,0.95)
  silkscreen extent -1.5,-1.55 0.5,1.93, body extent -1.42,-1.46 1.42,1.46, height 1.11
DFN130P160X60-4N [mm] "DFN, 4-Leads, Body 1,20x1,60mm, Pitch 1,30mm, IPC Medium Density"
  rect 0.55x0.3 smd: 1(-0.725,0.25) 2(-0.725,-0.25) 3(0.725,-0.25) 4(0.725,0.25)
  rect 0.5x0.86 smd: 5(0,0)
  silkscreen extent -0.87,0.98 -0.77,1.07, body extent -0.82,-0.63 0.82,0.63, height 0.6
"DIODES INCORPORATED - SOT523" [mm] "SOT523, 3-Leads, Body 1,60x1,60mm, Pitch 0,50mm, IPC Medium Density"
  rect 0.51x0.4 smd: D(0.645,0) G(-0.645,0.5) S(-0.645,-0.5)
  silkscreen extent -0.77,-0.85 0.43,1.37, body extent -0.87,-0.85 0.87,0.85, height 0.8
"DO-214AA (SMB) DIOC5436X26N" [mm] "Chip Diode, 2-Leads, Body 5,40x3,62mm, IPC Medium Density"
  rect 2.1x2.4 smd: A(2.125,0) C(-2.125,0)
  silkscreen extent -3.3,-1.9 2.8,1.9, body extent -2.7,-1.8 2.7,1.76, height 2.24
DRY0006A_V [mm] "SON, 6-Leads, Body 1.45x1mm, Pitch 0.5mm"
  rrect33% 0.52x0.3 smd paste+0: 1(-0.385,0.5)
  rrect33% 0.49x0.3 smd paste+0: 2(-0.385,0) 3(-0.385,-0.5) 4(0.385,-0.5) 5(0.385,0) 6(0.385,0.5)
  silkscreen extent -1.09,0.46 -0.99,0.56, body extent -0.5,-0.72 0.5,0.72, height 0.6
"Ferrite Beads 0603 (1608 Metric)" [mm] "Chip Inductor, 2-Leads, Body 1.60x0.80mmx0.95mm, IPC Medium Density"
  rect 0.87x0.98 smd: 1(-0.665,0) 2(0.665,0)
  body extent -0.87,-0.48 0.87,0.48, height 0.95
FP-95400-MFG [mm]
  rect 1.7x1.68 smd paste+0: 1(-1.79,0) 2(1.79,0)
  silkscreen extent -3.32,-1.4 2.25,1.4, body extent -2.55,-1.33 2.55,1.33, height 2.29
FP-C04-062-MFG [mm]
  rect 0.65x0.35 smd paste+0: 1(-1.55,0.975) 2(-1.55,0.325) 3(-1.55,-0.325) 4(-1.55,-0.975) 5(1.55,-0.975) 6(1.55,-0.325) 7(1.55,0.325) 8(1.55,0.975)
  rect 1.55x2.4 smd paste+0: 9(0,0)
  silkscreen extent -2.58,-1.6 1.55,1.6, body extent -1.5,-1.5 1.5,1.5, height 1
FP-ECX-33Q-MFG [mm]
  rect 1.3x1.1 smd paste+0: 1(-1.15,-0.9) 2(1.15,-0.9) 3(1.15,0.9) 4(-1.15,0.9)
  silkscreen extent -2.2,-2.12 2.2,1.3, body extent -1.6,-1.25 1.6,1.25, height 0.8
FP-EVQ-P7J01P-MFG [mm]
  rect 1.4x1.05 smd paste+0: 1(-1.8,0.725) 1'(1.8,0.725) 2(-1.8,-0.725) 2'(1.8,-0.725)
  silkscreen extent -3.17,-2.2 1.85,1.55, body extent -2.35,-2.1 2.35,1.45, height 1.55
FP-SOT505-1-MFG [mm]
  rect 1.15x0.6 smd paste+0: 1(-2.175,1.05) 4(-2.175,-1.05) 5(2.175,-1.05) 8(2.175,1.05)
  rect 1.15x0.45 smd paste+0: 2(-2.175,0.325) 3(-2.175,-0.325) 6(2.175,-0.325) 7(2.175,0.325)
  silkscreen extent -3.62,-1.55 1.22,1.55, body extent -2.45,-1.5 2.45,1.5, height 1.1
FP-TUMD2M-MFG [mm]
  rect 2x1.1 smd paste+0: 1(-0.65,0)
  rect 0.8x1.1 smd paste+0: 2(1.25,0)
  silkscreen extent -2.32,-0.92 1.05,0.92, body extent -1.25,-0.7 1.25,0.7, height 0.8
"INFINEON - BAT64-04" [mm] "Silicon Schottky Diodes SOT23"
  rect 1.35x0.6 smd: 1(-1.2,0.95) 2(-1.2,-0.95) 3(1.2,0)
  silkscreen extent -1.32,-1.5 0.7,1.92, body extent -1.17,-1.45 1.2,1.47, height 0.95
"JST SCZW-7SA-1K(HF)" [mm] "SIM-Kartenhalter"
  rect 0.8x0.9 smd: 1(3.22,-0.097) 2(0.42,-0.097) 3(-2.38,-0.097) 4(2.29,-6.437) 5(-0.32,-6.437) 6(-1.52,-6.437)
  rect 1.1x1.4 smd: 7(-5.45,-5.537) 7(5.45,-5.537)
  rect 0.6x2.45 smd: 7(-5.15,4.513) 7(5.15,4.513)
  rect 4.3x0.75 smd: 7(0,6.438)
  silkscreen extent -6,-6.9 6,6.9, body extent -5.8,-6.7 5.8,6.7, height 1.7
"KEYSTONE - 1060-Footprint-1" [mm]
  rect 2.59x3.61 smd: V+(14.655,0) V-(-14.655,0)
  silkscreen extent 15.11,2.41 16.38,3.68, body extent -15.86,-8.06 15.97,7.94, height 5.7
"LITTELFUSE - 154 OMNI-BLOK" [mm] "Surface Mount Fuses  NANO2 - 154 OMNI-BLOK - Fuse and Holder Combination"
  rect 4.24x3.81 smd: 1(-3.185,0) 2(3.185,0)
  silkscreen extent -4.8,-2.5 4.8,2.5, body extent -4.85,-2.5 4.85,2.5, height 3.74
"M.2 (NGFF) Connectors" [mm] "The M.2 (Next Generation Form Factor) product line is a natural transition from the Mini Card and Half Mini Card to a smaller form factor in both size and volume."
  rect 0.3x1.55 smd: 1(0,0) 2(0.25,-7.55) 3(0.5,0) 4(0.75,-7.55) 5(1,0) 6(1.25,-7.55) 7(1.5,0) 8(1.75,-7.55) 9(2,0) 10(2.25,-7.55) 11(2.5,0) 20(4.75,-7.55) 21(5,0) 22(5.25,-7.55) 23(5.5,0) 24(5.75,-7.55) 25(6,0) 26(6.25,-7.55) 27(6.5,0) 28(6.75,-7.55) 29(7,0) 30(7.25,-7.55) 31(7.5,0) 32(7.75,-7.55) 33(8,0) 34(8.25,-7.55) 35(8.5,0) 36(8.75,-7.55) 37(9,0) 38(9.25,-7.55) 39(9.5,0) 40(9.75,-7.55) 41(10,0) 42(10.25,-7.55) 43(10.5,0) 44(10.75,-7.55) 45(11,0) 46(11.25,-7.55) 47(11.5,0) 48(11.75,-7.55) 49(12,0) 50(12.25,-7.55) 51(12.5,0) 52(12.75,-7.55) 53(13,0) 54(13.25,-7.55) 55(13.5,0) 56(13.75,-7.55) 57(14,0) 58(14.25,-7.55) 59(14.5,0) 60(14.75,-7.55) 61(15,0) 62(15.25,-7.55) 63(15.5,0) 64(15.75,-7.55) 65(16,0) 66(16.25,-7.55) 67(16.5,0) 68(16.75,-7.55) 69(17,0) 70(17.25,-7.55) 71(17.5,0) 72(17.75,-7.55) 73(18,0) 74(18.25,-7.55) 75(18.5,0)
  rect 1.2x2.75 smd: M(-1.1,-0.775) M(19.6,-0.775)
  round 1.1 hole 1.1: M(-0.75,-5.275)
  round 1.6 hole 1.6: M(19.25,-5.275)
  silkscreen extent -2.08,-8.51 20.58,1.24, body extent -5.75,-45.53 24.25,0.58, height 3.82
"ON SEMICONDUCTOR - FSUSB43L10X" [mm] "UQFN10 (MICROPAK ), 10-Leads, Body 1,60x2,10mm, Pitch 0,50mm, IPC Medium Density"
  rect 0.25x0.35 smd: 1(-0.75,-0.56) 2(-0.25,-0.56) 3(0.25,-0.56) 4(0.75,-0.56) 6(0.75,0.56) 7(0.25,0.56) 8(-0.25,0.56) 9(-0.75,0.56)
  rect 0.35x0.25 smd: 5(0.81,0) 10(-0.81,0)
  silkscreen extent -1.45,-1.2 1.23,0.98, body extent -1.1,-0.85 1.1,0.85, height 0.65
PCM12SMTR [mm]
  round 0 hole 0.9 unplated: 0(-1.5,0) 0(1.5,0)
  rect 0.7x1.5 smd: 1(-2.25,1.75) 2(0.75,1.75) 3(2.25,1.75)
  rect 1x0.8 smd: 4(-3.65,-1) 4(-3.65,1) 4(3.65,-1) 4(3.65,1)
  silkscreen extent -3.43,-1.4 3.43,1.4, body extent -3.68,-2.82 3.67,2.23, height 1.4
"PHOENIX CONTACT - PTSM 0,5_ 4-HH-2,5-SMD R32-Footprint-1" [mm]
  rect 1.2x3.2 smd: 1(-3.75,0) 1(-3.75,0) 2(-1.25,0) 3(1.25,0) 4(3.75,0)
  rect 2.2x5.6 smd: M(-7,-4.2) M(7,-4.2)
  round 1.1 hole 1.1: M(-4.85,-5.35) M(4.85,-5.35)
  silkscreen extent -7.75,-0.89 7.75,1.4, body extent -7.79,-8.13 7.81,1.37, height 5
QFN65P800X800X100_HS-45N [mm] "QFN, 44-Leads, Body 8,00x8,00mm, Pitch 0,65mm, Thermal Pad 6,55x6,55mm, IPC Medium Density"
  oval 0.85x0.3 smd: 1(-3.9,3.25) 2(-3.9,2.6) 3(-3.9,1.95) 4(-3.9,1.3) 5(-3.9,0.65) 6(-3.9,0) 7(-3.9,-0.65) 8(-3.9,-1.3) 9(-3.9,-1.95) 10(-3.9,-2.6) 11(-3.9,-3.25) 23(3.9,-3.25) 24(3.9,-2.6) 25(3.9,-1.95) 26(3.9,-1.3) 27(3.9,-0.65) 28(3.9,0) 29(3.9,0.65) 30(3.9,1.3) 31(3.9,1.95) 32(3.9,2.6) 33(3.9,3.25)
  oval 0.3x0.85 smd: 12(-3.25,-3.9) 13(-2.6,-3.9) 14(-1.95,-3.9) 15(-1.3,-3.9) 16(-0.65,-3.9) 17(0,-3.9) 18(0.65,-3.9) 19(1.3,-3.9) 20(1.95,-3.9) 21(2.6,-3.9) 22(3.25,-3.9) 34(3.25,3.9) 35(2.6,3.9) 36(1.95,3.9) 37(1.3,3.9) 38(0.65,3.9) 39(0,3.9) 40(-0.65,3.9) 41(-1.3,3.9) 42(-1.95,3.9) 43(-2.6,3.9) 44(-3.25,3.9)
  rect 6.55x6.55 smd: 45(0,0)
  silkscreen extent -4.92,-4.15 4.15,4.15, body extent -4,-4 4,4, height 1
"RES 0402 [1005 Metric]_N" [mm] "RESC1005X04_N"
  rect 0.55x0.65 smd: 1(-0.5,0) 2(0.5,0)
  body extent -0.52,-0.27 0.53,0.28, height 0.4
"SAMTEC - ERF-025-05.0-L-DV-TR-Footprint-1" [mm]
  rect 0.5x1.1 smd: 1(9.6,2.25) 2(9.6,-2.25) 3(8.8,2.25) 4(8.8,-2.25) 5(8,2.25) 6(8,-2.25) 7(7.2,2.25) 8(7.2,-2.25) 9(6.4,2.25) 10(6.4,-2.25) 11(5.6,2.25) 12(5.6,-2.25) 13(4.8,2.25) 14(4.8,-2.25) 15(4,2.25) 16(4,-2.25) 17(3.2,2.25) 18(3.2,-2.25) 19(2.4,2.25) 20(2.4,-2.25) 21(1.6,2.25) 22(1.6,-2.25) 23(0.8,2.25) 24(0.8,-2.25) 25(0,2.25) 26(0,-2.25) 27(-0.8,2.25) 28(-0.8,-2.25) 29(-1.6,2.25) 30(-1.6,-2.25) 31(-2.4,2.25) 32(-2.4,-2.25) 33(-3.2,2.25) 34(-3.2,-2.25) 35(-4,2.25) 36(-4,-2.25) 37(-4.8,2.25) 38(-4.8,-2.25) 39(-5.6,2.25) 40(-5.6,-2.25) 41(-6.4,2.25) 42(-6.4,-2.25) 43(-7.2,2.25) 44(-7.2,-2.25) 45(-8,2.25) 46(-8,-2.25) 47(-8.8,2.25) 48(-8.8,-2.25) 49(-9.6,2.25) 50(-9.6,-2.25)
  round 1.45 hole 1.45: M(-11.4,-1.5) M(11.4,-1.5)
  silkscreen extent -13.21,-3.05 13.21,4.35, body extent -13,-3 13,3, height 7.13
SOIC127P600X175-8N [mm] "SOIC, 8-Leads, Body 4,90x3,90mm, Pitch 1,27mm, IPC Medium Density"
  oval 1.45x0.6 smd: 1(-2.725,1.905) 2(-2.725,0.635) 3(-2.725,-0.635) 4(-2.725,-1.905) 5(2.725,-1.905) 6(2.725,-0.635) 7(2.725,0.635) 8(2.725,1.905)
  silkscreen extent -2.85,-2.5 1.6,2.88, body extent -3.01,-2.5 3.01,2.5, height 1.75
"Solder Jumper 0402 unbestückt" [mm] "Solder Jumper 0402 unbestückt"
  rect 0.45x0.55 smd: 1(-0.45,0) 2(0.45,0)
"Solder Jumper Triple 0402 with Assembly between 1 and 2" [mm] "Solder Jumper Triple 0402 with Assembly between 1 and 2"
  rect 0.45x0.55 smd: 1(0.45,0) 2(-0.45,0) 3(1.35,0)
  silkscreen extent -0.85,-0.45 1.75,0.45, body extent -0.5,-0.25 0.5,0.25, height 0.4
SON65P300X90_HS-15N [mm] "SON, 14-Leads, Body 4,50x3,00mm, Pitch 0,65mm, Thermal Pad 4,20x1,60mm, IPC Medium Density"
  rect 0.8x0.35 smd: 1(-1.44,1.95) 2(-1.44,1.3) 3(-1.44,0.65) 4(-1.44,0) 5(-1.44,-0.65) 6(-1.44,-1.3) 7(-1.44,-1.95) 8(1.44,-1.95) 9(1.44,-1.3) 10(1.44,-0.65) 11(1.44,0) 12(1.44,0.65) 13(1.44,1.3) 14(1.44,1.95)
  rect 1.6x4.2 smd: 15(0,0)
  silkscreen extent -2.1,2.29 -2,2.39, body extent -1.5,-2.25 1.5,2.25, height 0.9
"Testpad, 0.8mm x 0.8mm, round" [mm] "Testpad, 0.8mm x 0.8mm, round"
  round 0.8 smd paste-2: 1(0,0)
  silkscreen extent -0.62,-0.62 0.62,0.63
"VISHAY - VBUS052CD-FAH" [mm] "LLP1713-7L, 1.4mm x 1.75mm x 0.6mm"
  rrect50% 0.37x0.25 smd: 1(-0.665,0.5) 2(-0.665,0) 3(-0.665,-0.5) 4(0.665,-0.5) 5(0.665,0) 6(0.665,0.5)
  rrect50% 0.4x0.25 smd: 7(0,-0.5)
  body extent -0.68,-0.85 0.68,0.85, height 0.57
WCAP-ASLI_6.3x7.7 [mm] "Polarized capacitors, Aluminum Electrolytic Capacitors, 2-Leads, Body 6.3x7.7x2.2"
  rect 3.5x1.6 smd: 1(-2.8,0) 2(2.8,0)
  silkscreen extent -4.2,-3.3 3.3,3.3, body extent -3.65,-3.3 3.65,3.3, height 7.7
"WUERTH ELEKTRONIK - 9774015360" [mm] "M3 Thread Internal, Length 1.5mm"
  round 7 / inner round 0 / far side round 0 hole 4.4 unplated: 1(0,0)
  body extent -3,-3 3,3, height 1.5
"WUERTH ELEKTRONIK - WL-SMSW" [mm] "LED WL-SMSW SMT Mono-color Side view Waterclear, 1204"
  rect 1.5x1 smd: A(1.75,0) C(-1.75,0)
  rect 0.8x0.6 smd: M1(0,-0.2)
  silkscreen extent -2.04,-0.6 0.95,1.48, body extent -1.6,0 1.6,1.48, height 1

## Part data
BT700: library part CMP-11274-2, "Batterie Halter (offen) Kreisförmige Scheibe, 20,0mm 1 Zellen SMD (SMT) Tab", Case=Coin, Manufacturer=Keystone, Manufacturer Part Number=1060TR, Operating Temperature max=146°C, Operating Temperature min=-50°C, Assembly=yes, Battery Sizes Accepted=CR2032, ComponentLink1Description="Manufacturer Link", ComponentLink1URL=https://www.keyelco.com/product.cfm/product_id/726, Mounting Type=SMT, No. of Batteries=1